# KiCad board DG Nova CPU Tester.kicad_pcb (continued)
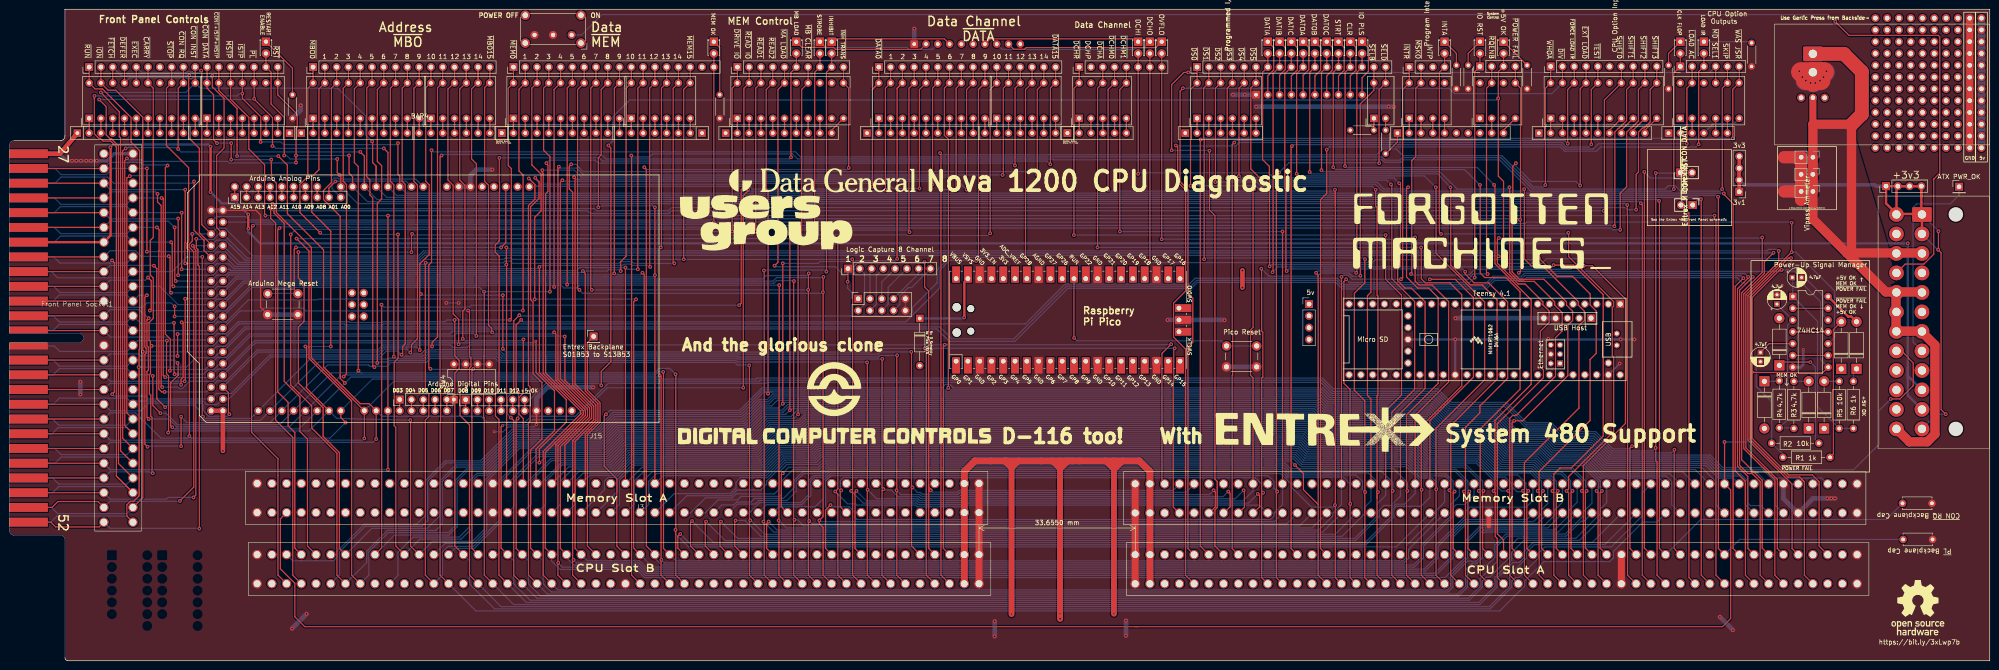
[diagram p0: board, top side]
## Routing (per net, layer and track width the routed paths; a pad name or vN(x,y) marks a point on that pad's centre or on a via; arc(x,y) is an arc through that point) (continued)
  Bottom w0.25: 328.36,38.02 328.36,34.54 326.89,33.08 314.75,33.08 313.81,32.13 313.81,31.2 307.46,24.85 307.46,22.3 304.88,19.72 137.64,19.72 135.83,21.53 124.58,21.53 J3.55 ; v1(204.03,101.47) 201.11,101.47 201.11,101.48 198.86,103.73 122.14,103.73 v1(121.73,104.14)
~{DATA8}: length 445.5
  Top w0.25: v1(114.87,105.66) 114.87,105.18 115.06,104.99 115.06,61.87 123.13,53.8 123.13,53.09 123.06,53.09 115.06,45.09 115.06,18.44 J3.60 ; v1(206.31,101.47) 206.29,101.49 206.29,123.05 BAR8.12 J8.9
  Bottom w0.25: 334.71,31.75 331.58,28.62 317.24,28.62 314.26,25.64 314.26,22.11 310.63,18.49 310.63,16.03 309.86,15.25 118.24,15.25 J3.60 ; v1(114.87,105.66) 121.77,105.66 123.25,104.18 203.6,104.18 v1(206.31,101.47)
~{DATA9}: length 457.1
  Top w0.25: 341.06,38.02 341.28,38.24 ; J8.10 BAR8.11 ; BAR8.11 208.85,123.06 208.85,87.38 ; BAR8.11 208.84,123.05 ; 110.55,22.86 109.23,24.19 109.23,51.84 v1(109.56,52.18) ; 208.85,87.38 208.85,86.61 v1(208.34,86.11) ; 208.85,87.38 208.85,86.74 ; v1(109.67,57.91) 109.23,58.35 109.23,72.39 109.28,72.39 v1(110.3,73.41)
  Bottom w0.25: 341.06,38.02 341.06,33.91 339.21,32.06 339.21,31.2 335.28,27.27 322.52,27.27 320.16,24.91 320.16,22.3 318.4,20.54 315.44,20.54 314.26,19.37 314.26,15.84 312.32,13.91 114.54,13.91 111.88,16.57 111.88,21.53 110.55,22.86 ; v1(110.3,73.41) 110.69,73.01 193.22,73.01 200.47,80.26 200.47,84.07 202.63,86.23 202.88,86.23 202.94,86.29 208.09,86.29 208.28,86.11 v1(208.34,86.11) ; v1(109.67,57.91) 109.71,57.87 109.71,52.33 v1(109.56,52.18)
~{DATA10}: length 412.4
  Top w0.25: J8.11 BAR9.20 211.38,123.05 211.38,92.09 v1(211.39,92.08) ; v1(168.21,53.97) v1(168.21,91.95)
  Bottom w0.25: v1(211.39,92.08) 210.92,91.6 193.58,91.6 193.45,91.73 168.43,91.73 v1(168.21,91.95) ; J3.75 93.92,25.27 100.01,25.27 102.88,28.14 102.88,38.65 110.03,45.8 128.1,45.8 131.63,49.33 159.12,49.33 162.88,53.09 167.33,53.09 v1(168.21,53.97) 168.52,54.28 281.23,54.28 282.87,52.65 305.48,52.65 308.35,49.78 319.13,49.78 323.04,45.87 330.12,45.87 332.09,43.89 339.6,43.89 343.25,40.25 355.02,40.25 355.03,40.26 357.87,40.26 360.11,38.02
~{DATA11}: length 439.4
  Top w0.25: 118.23,105.28 118.23,60.6 124.6,54.23 124.6,52.66 118.23,46.28 118.23,21.15 v1(118.3,21.08) 118.23,21.01 118.23,18.44 J3.58 ; 118.23,105.28 118.23,106.23 v1(118.43,106.43) ; 118.23,105.28 118.23,105.97 ; J8.12 BAR9.19 214.2,123.34 214.2,104.79 v1(214.06,104.65)
  Bottom w0.25: v1(118.3,21.08) 119.23,20.15 135.3,20.15 137.08,18.38 307.35,18.38 311.14,22.17 311.14,26.62 314.04,29.52 329.31,29.52 331.54,31.75 ; 214.07,104.63 v1(214.06,104.65) 123.76,104.63 122.28,106.11 118.74,106.11 v1(118.43,106.43)
~{DATA12}: length 450
  Top w0.25: 334.71,38.02 335.05,38.36 ; 115.63,107.19 v1(115.76,107.19) 115.76,107.06 116.07,106.75 116.07,101.08 115.58,100.58 115.58,61.98 123.7,53.86 123.7,53.03 117.61,46.93 117.59,46.93 115.5,44.84 115.5,24.26 J3.59 ; J8.13 BAR9.18 216.75,123.34 216.75,106.7 v1(216.73,106.68)
  Bottom w0.25: v1(216.73,106.68) 216.22,107.19 126.94,107.19 126.3,107.82 116.4,107.82 v1(115.76,107.19) ; 334.71,38.02 334.71,34.15 332.86,32.3 332.86,31.2 330.73,29.07 317.06,29.07 313.81,25.82 313.81,22.3 309.42,17.91 291.4,17.91 291.39,17.91 136.9,17.91 135.16,19.65 118.7,19.65 116.91,21.45 J3.59
~{DATA13}: length 461.9
  Top w0.25: v1(108.52,57.91) 108.7,58.09 108.7,73.21 v1(109.92,74.42) ; v1(108.09,52.38) 108.7,51.76 108.7,18.44 110.55,16.59 ; J8.14 BAR9.17 219,123.05 219,86.63 v1(219.27,86.36)
  Bottom w0.25: v1(108.52,57.91) 108.49,57.91 107.3,56.72 107.3,54.98 107.33,54.95 107.33,53.13 v1(108.09,52.38) ; v1(109.92,74.42) 110.08,74.26 193.83,74.26 194.63,75.06 194.63,76.07 199.96,81.41 199.96,84.2 202.64,86.88 218.75,86.88 v1(219.27,86.36) ; 341.06,31.75 339.36,30.05 338.7,30.05 335.47,26.82 322.77,26.82 320.61,24.66 320.61,21.33 316.99,17.71 316.99,16.03 314.41,13.46 113.69,13.46 110.55,16.59
~{DATA14}: length 435.2
  Top w0.25: v1(121.1,106.93) 120.68,106.51 120.68,101.64 121.41,100.91 121.41,59.41 125.95,54.86 125.95,51.93 121.41,47.38 121.41,21.92 v1(121.6,21.72) 121.41,21.52 121.41,18.44 J3.56 ; v1(221.55,104.65) 221.53,104.67 221.53,123.05 BAR9.16 J8.15
  Bottom w0.25: v1(121.1,106.93) 122.1,106.93 123.66,105.37 220.83,105.37 v1(221.55,104.65) ; v1(121.6,21.72) 122.27,21.05 135.67,21.05 137.45,19.28 305.07,19.28 307.91,22.11 307.91,24.66 313.67,30.43 327.04,30.43 328.36,31.75
~{DATA15}: length 483.4
  Top w0.25: J8.16 225.49,124.5 BAR9.15 224.37,123.38 224.37,106.95 v1(224.35,106.93) ; 105.53,108.39 v1(105.6,108.33) 105.59,103.16 105.65,103.1 105.65,100.91 105.59,100.86 105.58,90.55 105.58,90.4 104.71,89.53 104.71,88.01 105.57,87.15 105.57,87.12 105.53,58.29 104.76,57.52 104.76,52.72 105.53,51.94 105.53,18.44 J3.66
  Bottom w0.25: J3.66 111.41,12.56 316.68,12.56 320.16,16.03 320.16,17.96 323.79,21.59 323.79,23.32 326.38,25.92 338.41,25.92 344.24,31.75 ; v1(105.6,108.33) 127.13,108.33 127.83,107.64 223.64,107.64 v1(224.35,106.93)
~{DCHA}: length 362.5
  Top w0.25: J2.60 304.29,18.43 304.29,36.76 v1(304.36,36.83) 304.29,36.9 304.29,50.47 313.01,59.2 313.01,78.85 310.45,81.41 305.17,81.41 304.29,82.3 304.29,88.97 v1(304.23,89.03) 304.29,89.08 ; J12.3 BAR11.18 234.53,123.34 234.53,89.05 v1(234.51,89.03)
  Bottom w0.25: v1(304.36,36.83) 304.29,36.9 304.29,38.57 301.03,41.82 278.42,41.82 276.76,43.48 175.5,43.48 174.31,42.29 167.57,42.29 165.93,40.65 165.93,36.96 164.91,35.94 156.61,35.94 155.77,35.09 150.04,35.09 146.78,31.83 145.48,31.83 ; v1(304.23,89.03) v1(234.51,89.03) 234.51,89.15
~{DCHM0}: length 226.8
  Top w0.25: v1(182.56,36.58) 182.25,36.27 182.25,24.19 J3.17 ; J12.4 BAR11.17 236.78,123.05 236.78,101.49 v1(236.79,101.47) 236.78,101.45 ; v1(268.29,101.6) 268.04,101.35 268.04,71.78 267.49,71.23 267.49,61.5 268.04,60.95 268.04,38.02
  Bottom w0.25: 202.25,34.06 196.03,34.06 195.66,34.42 184.72,34.42 v1(182.56,36.58) ; 202,34.06 205.45,34.06 205.81,34.42 265.85,34.42 268.04,36.61 268.04,38.02 ; 268.04,101.6 v1(268.29,101.6) 267.6,101.16 237.1,101.16 v1(236.79,101.47)
~{DCHM1}: length 242.8
  Top w0.25: 274.38,38.02 v1(274.38,92.46) ; J12.5 BAR11.16 239.31,123.05 239.31,92.47 v1(239.33,92.46) ; J3.21 175.91,24.19 175.91,32.46 v1(176.98,33.53) ; 176.98,33.45 v1(176.98,33.53) ; v1(176.98,33.53) 177.1,33.66
  Bottom w0.25: v1(176.98,33.53) 177.35,33.16 181.03,33.16 182.25,31.93 182.25,30.86 182.69,30.43 271.76,30.43 272.54,31.2 272.54,31.77 274.38,33.62 274.38,38.02 ; v1(239.33,92.46) v1(274.38,92.46)
~{DCHR}: length 321.1
  Top w0.25: J3.35 153.16,24.71 153.16,29.77 v1(153.35,29.97) 153.16,30.17 ; 296.61,38.02 296.61,53.85 300.02,57.26 300.02,78.76 296.61,82.17 v1(296.61,91.69) ; v1(229.43,91.69) 229.44,91.71 229.44,123.34 BAR11.20 J12.1
  Bottom w0.25: v1(153.35,29.97) 156.99,26.34 289.93,26.34 294.76,31.17 294.76,33.78 296.61,35.63 296.61,38.02 ; v1(296.61,91.69) v1(229.43,91.69)
~{DEFER}: length 580.8
  Top w0.25: v1(40.96,28.45) 40.96,84.96 40.65,85.28 40.65,88.59 40.31,88.93 v1(40.31,90.87) ; 46.27,110.43 44.69,108.84 44.69,93.3 46.04,91.95 ; J5.52 8.96,29.84 9.97,28.83 19.37,28.83 Front Panel Socket1.52 ; v1(380.18,87.88) 378.21,85.92 378.21,83.42 373.78,78.99 373.78,45.7 380.49,38.99 380.49,18.43 J2.12 ; J9.4 BAR1.17 ; 46.27,110.51 46.27,121.11 43.75,123.64 v1(43.75,125.98)
  Bottom w0.25: Front Panel Socket1.52 21.71,28.52 40.89,28.52 v1(40.96,28.45) ; BAR1.17 25.97,125.6 38.28,125.6 38.5,125.39 39.41,125.39 39.6,125.59 43.35,125.59 v1(43.75,125.98) ; v1(40.31,90.87) 40.42,90.76 43.99,90.76 45.18,91.95 46.04,91.95 51.25,86.74 88.33,86.74 89.43,87.85 380.14,87.85 v1(380.18,87.88)
~{DIV}: length 189.6
  Top w0.25: J11.2 BAR15.19 ; v1(252.92,123.32) 252.31,122.7 252.31,103.22 254.01,101.52 254.01,79.12 255.05,78.08 255.05,68.6 254.01,67.56 254.01,24.18 J2.91
  Bottom w0.25: BAR15.19 332.42,122.16 311.43,122.16 310.27,123.32 v1(252.92,123.32)
~{DRIVE IO}: length 555.2
  Top w0.25: v1(155.77,92.46) 155.78,92.47 155.78,123.34 BAR7.20 J18.1 ; v1(60.64,91.82) 60.64,59.44 65.17,54.91 65.17,50.14 70.61,44.7 70.61,18.44 J3.88
  Bottom w0.25: v1(60.64,91.82) 61.75,92.93 150.05,92.96 150.56,92.46 v1(155.77,92.46) ; 379.16,31.75 377.51,33.4 375.22,33.4 374.58,34.04 374.58,38.76 373.1,40.25 368.68,40.25 365.96,42.96 344.42,42.96 340.78,46.59 333.21,46.59 331.24,48.57 324.16,48.57 320.25,52.48 309.47,52.48 306.6,55.35 283.99,55.35 282.34,57 164.72,57 163.51,55.79 161.77,55.79 158,52.03 130.51,52.03 126.98,48.5 108.91,48.5 102.14,41.73 96.43,41.73 93.28,38.58 93.28,29.46 91.88,28.06 81.5,28.06 77.03,23.59 77.03,21.16 J3.88
~{DS0}: length 279
  Top w0.25: 285.76,98.04 285.76,101.4 v1(285.69,101.47) ; 285.76,98.04 285.76,101.55 ; 285.76,98.04 285.76,33.6 v1(285.69,33.53) 285.76,33.46 285.76,17.91 J2.72 ; J10.1 BAR10.20 254.56,123.05 v1(254.56,102.31)
  Bottom w0.25: 268.59,102.33 269.69,101.23 ; 268.59,102.33 254.57,102.33 v1(254.56,102.31) ; 268.59,102.33 269.75,101.16 285.38,101.16 v1(285.69,101.47) ; v1(285.69,33.53) 285.24,33.08 280.63,33.08 276.24,37.47 276.24,38.04 273.95,40.33 176.95,40.33 175.45,38.84 175.45,34.94 173.67,33.16 165.85,33.16 164.53,31.83
~{DS1}: length 293.2
  Top w0.25: v1(292.17,86.49) 292.11,86.43 292.11,81.41 289.86,79.16 289.86,58.26 292.11,56.01 292.11,36.38 v1(292.17,36.32) 292.11,36.27 292.11,17.91 J2.68 ; J10.2 BAR10.19 257.38,123.34 257.38,112.64 257.49,112.53 v1(257.49,86.49)
  Bottom w0.25: 177.87,41.23 176.58,41.23 175.22,39.88 173.8,39.88 173.8,39.88 173.32,39.88 172.28,38.84 172.28,35.77 170.57,34.06 161.71,34.06 159.48,31.83 158.18,31.83 ; 177.87,41.23 274.32,41.23 275.53,40.02 290.13,40.02 291.58,38.57 291.58,36.9 v1(292.17,36.32) ; 177.87,41.23 176.55,41.23 ; v1(292.17,86.49) 291.89,86.76 257.77,86.76 v1(257.49,86.49)
~{DS2}: length 296.9
  Top w0.25: 294.76,36.52 v1(294.96,36.32) 294.76,36.12 294.76,35.05 ; 294.76,35.05 294.76,18.43 J2.66 ; 294.76,35.05 294.76,57.02 294.94,57.2 294.94,78.56 294.76,78.74 294.76,97.66 294.45,97.97 v1(294.45,101.47) ; 259.93,103.11 v1(259.91,103.12) 259.93,103.14 259.93,123.34 BAR10.18 J10.3
  Bottom w0.25: v1(259.91,103.12) 268.81,103.12 269.73,102.2 293.73,102.2 v1(294.45,101.47) 294.45,101.35 ; v1(294.96,36.32) 294.76,36.52 294.76,38.57 292.86,40.47 275.72,40.47 274.5,41.68 176.37,41.68 175.3,40.62 175.3,40.59 175.04,40.33 171.23,40.33 169.56,38.65 169.56,36.48 167.58,34.5 161.52,34.5 160.76,33.74 156.92,33.74 155,31.83
~{DS3}: length 403.9
  Top w0.25: J2.46 326.51,18.43 326.51,36.27 v1(326.2,36.58) 326.51,36.89 326.51,42.67 338.27,54.43 338.27,72.14 339.44,73.32 339.44,75.28 338.12,76.6 338.12,77.36 330.39,85.09 327.98,85.09 326.51,86.56 326.51,101.55 v1(326.45,101.6) ; J10.4 BAR10.17 262.46,123.34 262.46,103.9 v1(262.45,103.89) 262.46,103.87
  Bottom w0.25: 123.25,31.83 128.28,36.86 128.28,38.65 129.13,39.5 130.75,39.5 134.28,43.03 161.8,43.03 165.57,46.79 172.15,46.79 173.34,47.98 278.62,47.98 280.26,46.35 302.87,46.35 305.74,43.48 316.52,43.48 320.43,39.57 322.33,39.57 323.79,38.12 323.79,37.54 324.88,36.45 326.07,36.45 v1(326.2,36.58) ; v1(326.45,101.6) 326.02,101.16 295.85,101.16 294.36,102.65 270.19,102.65 269.27,103.57 262.76,103.57 v1(262.45,103.89)
~{DS4}: length 318.2
  Top w0.25: 265,104.38 v1(264.99,104.39) 265,104.41 265,123.34 BAR10.16 J10.5 ; J2.62 301.11,18.43 301.11,36.38 v1(301.31,36.58) 301.11,36.78 301.11,52.96 307.93,59.78 307.93,78.21 305.88,80.26 303.52,80.26 301.11,82.68 301.11,101.66 v1(301.44,101.98)
  Bottom w0.25: 301.06,38.62 298.31,41.37 276.09,41.37 274.88,42.58 175.92,42.58 174.56,41.23 168.96,41.23 ; 301.06,38.62 301.31,38.37 v1(301.31,36.58) ; 301.06,38.62 301.18,38.5 ; 301.31,101.85 v1(301.44,101.98) 301.07,101.61 296.23,101.61 294.74,103.1 270.57,103.1 269.65,104.02 265.36,104.02 v1(264.99,104.39) ; 168.8,41.07 168.96,41.23 ; 168.8,41.07 168.96,41.23 ; 168.8,41.07 166.38,38.65 166.38,35.73 166.05,35.41 157.68,35.41 156.92,34.64 152.77,34.64 149.96,31.83 148.66,31.83
~{DS5}: length 301.7
  Top w0.25: 299.79,16.58 297.94,18.43 297.94,36.38 v1(298.13,36.58) 297.94,36.78 297.94,53.52 302.85,58.44 302.85,77.38 297.94,82.3 297.94,102.43 v1(297.75,102.62) ; J10.6 268.67,124.5 BAR10.15 267.55,123.38 267.55,105.92 269.32,104.14 v1(270.83,104.14)
  Bottom w0.25: 174.83,40.78 176.18,42.13 274.69,42.13 275.91,40.92 295.58,40.92 296.94,39.57 ; v1(270.83,104.14) 270.83,103.89 271.17,103.55 296.82,103.55 v1(297.75,102.62) ; v1(298.13,36.58) 298.13,38.37 296.94,39.57 ; 296.94,39.57 298.01,38.5 ; 174.85,40.78 171.05,40.78 169.1,38.84 169.1,37.24 166.82,34.95 160.59,34.95 159.83,34.19 156.73,34.19 156.11,33.57 153.57,33.57 151.83,31.83
~{EXEC}: length 565.2
  Top w0.25: 43.5,91.95 41.48,93.96 41.48,126.98 v1(41.34,127.13) ; v1(36.77,34.42) 39.75,37.4 39.75,88.1 38.76,89.09 38.76,89.73 39.43,90.41 v1(39.43,91.95) ; v1(381.32,88.27) 381.32,85.9 374.23,78.81 374.23,45.88 381.01,39.1 381.01,24.18 J2.11 ; J5.51 9.21,33.02 10.48,34.29 19.11,34.29 Front Panel Socket1.51 ; J9.5 BAR1.16
  Bottom w0.25: J9.5 28.54,126.71 38.26,126.71 38.38,126.84 39.46,126.84 39.58,126.71 40.93,126.71 v1(41.34,127.13) ; v1(381.32,88.27) 380.98,88.61 379.09,88.61 378.78,88.3 89.25,88.3 88.14,87.19 52.48,87.19 46.53,93.14 44.69,93.14 43.5,91.95 v1(39.43,91.95) ; v1(36.77,34.42) 36.7,34.34 21.71,34.34 Front Panel Socket1.51
~{EXT LOAD}: length 377.6
  Top w0.25: J2.47 323.86,24.18 323.86,51.25 v1(324.3,51.69) 326.14,51.69 335.87,61.42 335.87,72.29 336.9,73.32 336.9,75.28 335.58,76.6 335.58,77.3 330.71,82.17 325.44,82.17 323.86,83.75 323.86,96.9 324,97.05 324,106.52 v1(324.68,107.19) ; v1(128.59,53.09) 128.2,52.7 128.2,41.91 130.88,39.24 130.93,39.24 130.93,24.71 J3.49 ; J11.4 BAR15.17 338.52,123.19 v1(338.52,102.36)
  Bottom w0.25: 202.89,59.31 203.26,58.94 ; 202.89,59.31 202.68,59.53 201.71,59.53 200.98,58.8 162.23,58.8 157.36,53.93 129.44,53.93 v1(128.59,53.09) ; 202.89,59.31 203.41,58.8 283.08,58.8 284.73,57.15 307.34,57.15 310.21,54.28 321,54.28 323.05,52.22 ; v1(324.68,107.19) 324.68,106.55 327.98,103.25 337.63,103.25 v1(338.52,102.36) ; 323.05,52.22 323.59,51.69 v1(324.3,51.69) ; 323.05,52.22 323.46,51.82
~{FETCH}: length 645.3
  Top w0.25: v1(38.8,126.11) 38.66,125.97 38.66,112.67 40.96,110.36 40.96,92.2 43.5,89.66 43.5,89.41 ; 320.69,86.61 320.69,85.65 325.18,81.15 326.65,81.15 330.5,77.3 330.5,76.66 331.82,75.34 331.82,72.84 329.94,70.95 329.94,63.33 330.62,62.66 330.62,60.98 320.69,51.05 320.69,27.34 322.01,26.01 J2.49 ; 320.69,86.61 320.69,86.36 320.69,90.75 v1(320.99,91.06) ; 320.69,86.61 320.69,86.81 v1(320.99,87.12) ; v1(39.69,35.18) 40.2,35.69 40.2,88.4 39.86,88.74 39.86,89.08 v1(39.53,89.41) ; v1(377.76,91.19) 377.76,91.18 377.76,83.68 373.33,79.25 373.33,43.29 377.76,38.86 377.76,24.25 J2.13 ; J9.3 BAR1.18 ; Front Panel Socket1.50 J5.50
  Bottom w0.25: v1(39.69,35.18) 34.23,35.18 33.85,34.8 21.78,34.8 Front Panel Socket1.50 20.77,36.58 ; v1(38.8,126.11) 24.07,126.11 J9.3 ; v1(320.99,91.06) 377.64,91.06 v1(377.76,91.19) ; v1(39.53,89.41) 43.5,89.41 44.69,90.6 46.53,90.6 50.84,86.29 88.51,86.29 89.55,87.33 317.95,87.33 318.07,87.21 320.9,87.21 v1(320.99,87.12)
~{FORCE LOAD IR}: length 179.2
  Top w0.25: v1(335.85,111.38) 335.83,111.4 335.83,123.05 BAR15.18 J11.3 ; J2.85 263.54,24.18 263.54,61.45 263.63,61.56 263.63,70.31 263.54,70.42 263.54,111.2 v1(263.97,111.63)
  Bottom w0.25: v1(335.85,111.38) 335.14,112.09 264.43,112.09 v1(263.97,111.63)
~{INH TRANS}: length 337.3
  Top w0.25: v1(180.91,106.17) 180.9,106.19 180.9,123.34 BAR7.11 J18.10 ; J3.45 137.28,24.71 137.28,105.86 v1(136.84,106.3)
  Bottom w0.25: J3.45 139.13,22.09 140.59,20.62 302.61,20.62 304.29,22.3 304.29,24.85 310.63,31.2 310.63,33.63 312.49,35.48 312.49,38.02 ; v1(136.84,106.3) 137.32,105.82 180.56,105.82 v1(180.91,106.17)
~{INTR}: length 243.5
  Top w0.25: v1(299.91,82.17) 300.27,82.53 300.27,123.05 BAR13.20 J13.1 ; J3.29 163.2,24.19 163.2,29.54 v1(163.64,29.97) ; 287.08,38.02 v1(287.08,82.68)
  Bottom w0.25: v1(287.08,82.68) 287.47,83.06 288.55,83.06 289.42,82.19 291.28,82.19 v1(299.91,82.17) 299.95,82.21 ; v1(163.64,29.97) 165.46,28.15 282.18,28.15 285.24,31.2 285.24,31.77 287.08,33.62 287.08,38.02
~{ION}: length 547.5
  Top w0.25: J9.2 BAR1.19 21.31,122.9 22.96,122.9 28.77,117.09 v1(28.77,66.55) 28.77,35.13 Front Panel Socket1.25 ; J2.16 374.13,18.43 374.13,38.68 371.94,40.88 371.94,80.66 v1(373.7,82.42)
  Bottom w0.25: v1(28.77,66.55) 43.5,66.55 44.69,67.74 46.59,67.74 50.77,71.91 200.53,71.91 203.09,69.36 216.49,69.36 227.81,80.68 254.61,80.68 255.87,81.94 286.04,81.94 287.44,80.54 318.1,80.54 319.95,82.39 326.05,82.39 326.64,82.98 373.14,82.98 v1(373.7,82.42) ; J5.25 9.08,33.02 10.41,31.69 25.33,31.69 Front Panel Socket1.25
~{ISTP}: length 573.8
  Top w0.25: 18.34,120.9 18.34,121.3 ; 18.34,120.9 18.34,113.49 19.28,112.54 19.6,112.54 20.2,111.94 21.86,111.94 23.08,110.73 23.08,39.77 Front Panel Socket1.24 23.05,39.8 ; 18.34,120.9 v1(18.35,121.67) 18.34,121.65 ; 84.14,102.11 84.14,104.39 83.76,104.78 v1(83.76,111.51) ; J2.17 371.49,24.18 371.49,98.48 369.49,100.47 v1(369.49,100.66) ; J9.14 BAR2.17 v1(50.23,122.17) 50.23,121.16 54.19,117.2 54.19,111.78 v1(54.17,111.76) 54.19,111.74
  Bottom w0.25: 84.14,102.11 85.54,100.71 369.43,100.71 v1(369.49,100.66) 369.55,100.71 ; Front Panel Socket1.24 25.33,37.52 10.66,37.52 9.34,36.2 J5.24 ; v1(83.76,111.51) 83.41,111.16 59.12,111.16 58.52,111.76 v1(54.17,111.76) ; v1(18.35,121.67) 49.09,121.67 49.59,122.17 v1(50.23,122.17)
~{LOAD AC}: length 191.9
  Top w0.25: J2.77 276.24,24.18 276.24,110.69 v1(276.42,110.87) ; J17.2 BAR16.19 361.52,123.34 361.52,111.4 v1(361.51,111.38)
  Bottom w0.25: v1(276.42,110.87) 276.74,111.19 334.38,111.19 335.37,110.2 341.29,110.2 342.46,111.38 v1(361.51,111.38)
~{MA LOAD}: length 199.7
  Top w0.25: v1(197.22,85.88) 197.26,85.83 197.26,84.4 ; 197.26,84.68 197.26,84.4 ; 197.26,84.4 197.26,80.5 198.13,79.63 198.13,37.97 ; J3.7 198.13,24.19 198.13,37.97 ; 198.82,36.7 v1(198.57,36.7) 198.57,36.96 198.13,37.39 198.13,37.97 ; J18.5 BAR7.16 165.66,123.05 165.66,85.83 v1(164.91,85.09)
  Bottom w0.25: v1(197.22,85.88) 196.97,85.63 182.79,85.63 182.06,84.9 182.06,84.28 ; 182.06,84.87 182.06,84.28 ; 182.06,84.28 182.06,83.43 181.91,83.28 179.64,83.28 178.04,84.87 165.13,84.87 v1(164.91,85.09) ; v1(198.57,36.7) 198.96,36.31 204.35,36.31 204.74,36.7 250.83,36.7 252.16,38.02
~{MB CLEAR}: length 565.2
  Top w0.25: v1(61.91,90.93) 64.59,88.26 64.59,65.14 73.78,55.95 73.78,18.44 J3.86 ; v1(170.75,90.93) 170.75,123.06 BAR7.14 J18.7
  Bottom w0.25: 163.77,55.38 164.93,56.55 282.15,56.55 283.8,54.9 306.41,54.9 309.28,52.03 320.07,52.03 323.97,48.12 331.05,48.12 333.03,46.14 340.6,46.14 344.23,42.51 365.78,42.51 368.49,39.8 372.91,39.8 374.13,38.57 374.13,33.6 375.99,31.75 ; 163.77,55.34 161.95,55.34 158.19,51.58 130.7,51.58 127.17,48.05 109.1,48.05 102.33,41.28 98.52,41.28 96.08,38.83 96.08,29.07 94.62,27.61 81.69,27.61 77.48,23.41 77.48,18.44 J3.86 ; v1(61.91,90.93) v1(170.75,90.93) 170.63,90.93
~{MBO0}: length 433.6
  Top w0.25: 83.8,91.86 v1(83.76,91.82) 83.8,65.14 82.95,64.3 82.95,50.65 83.3,50.29 83.3,24.71 J3.79 ; J6.1 BAR3.20 64.34,123.34 64.34,104.31 62.63,102.6 62.63,96.57 v1(66.99,92.2)
  Bottom w0.25: v1(83.76,91.82) 67.38,91.82 v1(66.99,92.2) ; 366.46,38.02 363.32,41.16 343.67,41.16 340.04,44.8 332.47,44.8 330.49,46.77 323.41,46.77 319.51,50.68 308.72,50.68 305.85,53.55 283.24,53.55 281.6,55.18 167.76,55.18 166.57,53.99 162.51,53.99 158.75,50.23 131.26,50.23 127.72,46.7 109.66,46.7 102.89,39.93 100.98,39.93 99.63,38.58 99.63,28.45 97.36,26.17 88.47,26.17 J3.79
~{MBO1}: length 522
  Top w0.25: v1(63.82,67.69) 64.07,67.44 64.07,58.67 68.9,53.85 ; J3.77 86.48,24.71 86.48,51.76 v1(86.42,51.82) ; v1(33.97,68.96) 33.88,68.87 33.88,61.82 34.32,61.39 34.32,49.24 v1(34.23,49.15) ; J6.2 BAR3.19 66.74,123.19 66.74,105.79 65.17,104.22 65.17,96.65 69.28,92.54 v1(69.28,67.69) 69.28,67.82
  Bottom w0.25: J5.14 9.69,67.8 10.92,66.62 25.33,66.62 Front Panel Socket1.14 27.67,68.96 v1(33.97,68.96) 33.72,68.96 ; J3.77 91.19,25.72 99.83,25.72 102.43,28.33 102.43,38.84 109.84,46.25 127.91,46.25 131.44,49.78 158.93,49.78 162.7,53.54 166.75,53.54 167.95,54.73 281.42,54.73 283.05,53.1 305.67,53.1 308.54,50.23 319.32,50.23 323.23,46.32 330.31,46.32 332.28,44.34 339.82,44.34 343.47,40.7 343.49,40.71 360.6,40.71 363.29,38.02 ; v1(34.23,49.15) 34.59,49.51 64.56,49.51 68.9,53.85 70.55,52.2 v1(86.42,51.82) ; v1(69.28,67.69) v1(63.82,67.69)
~{MBO2}: length 451
  Top w0.25: 71.31,61.59 71.31,95.75 67.72,99.34 67.72,101.32 69.42,103.02 69.42,123.34 BAR3.18 J6.3 ; 71.31,61.59 71.31,60.83 v1(72.33,59.82) ; 71.31,61.59 71.31,60.95 ; v1(140.15,61.47) 140.45,61.16 140.45,21.79 v1(140.53,21.72) 140.45,21.65 140.45,18.44 J3.44 ; v1(35.12,50.29) 34.77,50.64 34.77,59.84 36.39,61.46 36.39,61.98 ; v1(36.26,64.14) 36.39,64.01 36.39,61.98 ; 36.39,61.98 36.39,61.47
  Bottom w0.25: 309.31,31.75 301.56,24 301.56,22.11 300.52,21.07 141.17,21.07 v1(140.53,21.72) ; J5.15 9.46,64.77 10.79,63.45 25.33,63.45 Front Panel Socket1.15 35.62,64.77 v1(36.26,64.14) ; v1(140.15,61.47) 139.8,61.12 73.63,61.12 v1(72.33,59.82) 62.47,49.96 35.58,49.96 35.24,50.29 v1(35.12,50.29) 35.12,50.42
~{MBO3}: length 452.9
  Top w0.25: 29.94,52.09 v1(30.04,52.07) 29.67,52.44 29.67,62.3 29.98,62.61 29.98,63.5 29.96,67.56 29.67,67.85 29.67,73.42 v1(30.04,73.79) ; J3.43 140.98,24.19 140.98,62.16 v1(140.91,62.23) 140.98,62.3 ; Front Panel Socket1.38 J5.38 ; J6.4 BAR3.17 71.97,123.34 71.97,103.26 72.66,102.56 72.66,61.8 v1(72.07,61.21)
  Bottom w0.25: 29.78,73.79 v1(30.04,73.79) 27.95,75.62 21.71,75.62 Front Panel Socket1.38 ; 139.63,61.98 139.22,61.57 72.43,61.57 v1(72.07,61.21) 71.19,61.21 60.38,50.41 36.03,50.41 34.36,52.07 v1(30.04,52.07) ; 139.63,61.98 139.88,62.23 v1(140.91,62.23) ; 139.63,61.98 139.76,62.11 ; 309.31,38.02 309.31,34.16 307.53,32.38 307.53,31.27 301.11,24.85 301.11,22.3 300.33,21.53 143.64,21.53 J3.43
~{MBO4}: length 436.9
  Top w0.25: v1(30.93,61.34) 30.93,61.33 30.93,54.98 v1(32.58,53.34) ; J6.5 BAR3.16 74.36,123.19 74.36,107.31 75.2,106.47 75.2,62.53 v1(75.25,62.48) ; v1(143.57,61.72) 143.63,61.67 143.63,28.25 v1(143.57,28.19) 143.63,28.14 143.63,18.44 J3.42
  Bottom w0.25: 74.78,62.02 76.14,62.02 ; 74.78,62.02 v1(75.25,62.48) 75.71,62.02 76.14,62.02 ; 74.78,62.02 69.45,62.02 58.29,50.86 36.21,50.86 33.73,53.34 v1(32.58,53.34) ; 76.14,62.02 139,62.02 139.94,62.95 141.42,62.95 ; 306.13,31.75 298.92,24.54 146.34,24.54 144.72,26.16 144.71,26.16 143.57,27.3 v1(143.57,28.19) ; 142.34,62.95 141.42,62.95 ; 142.34,62.95 141.42,62.95 ; 142.34,62.95 v1(143.57,61.72) ; 30.8,61.47 v1(30.93,61.34) 30.67,61.59 Front Panel Socket1.16 25.33,62.92 10.79,62.92 9.46,61.59 J5.16
~{MBO5}: length 454.1
  Top w0.25: J6.6 78.17,124.5 ; 159.5,26.42 159.5,30.03 v1(159.7,30.23) 159.5,30.43 159.5,63.57 v1(159.45,63.63) 159.5,63.68 ; v1(37.02,46.23) v1(37.02,52.58) ; v1(78.68,63.25) 78.32,63.6 78.32,99.72 77.71,100.33 77.71,103.59 77.03,104.27 77.03,123.36 BAR3.15 ; 159.5,27 159.5,18.44 J3.32 ; v1(29.78,46.1) 29.22,46.67 29.22,65.97 29.49,66.25 29.49,67.36 29.22,67.63 29.22,78.3 v1(29.66,78.74)
  Bottom w0.25: 290.26,31.75 285.75,27.24 162.82,27.24 159.83,30.23 v1(159.7,30.23) ; 77.72,63.41 77.41,63.72 68.61,63.72 56.2,51.31 38.29,51.31 v1(37.02,52.58) ; 77.72,63.41 78.51,63.41 v1(78.68,63.25) 78.84,63.41 79.95,63.41 ; 77.72,63.41 79.95,63.41 ; 79.95,63.41 81.42,63.41 82.27,64.26 89.85,64.26 90.73,65.14 104.72,65.14 105.6,64.26 156.37,64.26 156.91,63.72 159.36,63.72 v1(159.45,63.63) ; J5.11 9.46,77.47 10.79,78.8 25.33,78.8 Front Panel Socket1.11 27.92,78.74 v1(29.66,78.74) ; v1(29.78,46.1) 29.91,46.23 v1(37.02,46.23)
~{MBO6}: length 422.5
  Top w0.25: v1(33.59,54.61) 31.78,56.42 31.78,84.49 v1(31.18,85.09) ; 264.86,31.75 266.19,33.08 266.19,36.52 v1(266,36.7) 266.19,36.89 ; J6.7 BAR3.14 79.31,123.06 79.31,107.57 80.25,106.63 80.25,99.49 79.31,98.55 v1(79.31,64.14) ; Front Panel Socket1.35 J5.35 ; J3.16 184.91,18.44 184.91,36.76 v1(184.98,36.83) 184.91,36.9 184.91,64.21 v1(184.85,64.26) 184.91,64.32
  Bottom w0.25: v1(266,36.7) 264.19,34.89 205.65,34.89 205.26,34.5 196.28,34.5 ; 195.82,34.89 196.21,34.5 ; 195.82,34.89 196.16,34.55 ; 195.82,34.89 186.91,34.89 v1(184.98,36.83) ; 31,85.14 31.05,85.14 v1(31.18,85.09) 30.94,85.14 21.71,85.14 Front Panel Socket1.35 ; v1(184.85,64.26) 184.76,64.35 156.91,64.35 156.55,64.71 105.86,64.71 104.98,65.59 90.42,65.59 89.54,64.71 82.08,64.71 81.72,64.35 79.53,64.35 v1(79.31,64.14) 79.1,64.35 66.7,64.35 54.11,51.76 41.51,51.76 40.96,52.31 40.96,53.97 39.9,55.04 34.02,55.04 v1(33.59,54.61) 33.47,54.48
~{MBO7}: length 421.6
  Top w0.25: v1(41.72,52.58) 41.59,52.7 v1(41.59,87) ; J3.14 188.08,18.44 188.08,36.63 v1(188.41,36.96) 188.08,37.28 188.08,64.95 v1(188.15,65.02) 188.08,65.1 ; J6.8 BAR3.13 82.12,123.34 82.12,103.26 82.87,102.52 v1(82.87,65.49) ; v1(262.7,36.45) 263.08,36.06 263.08,33.15 261.69,31.75
  Bottom w0.25: v1(188.15,65.02) 188.12,64.99 156.91,64.99 156.74,65.16 106.05,65.16 105.17,66.04 90.23,66.04 89.36,65.16 83.19,65.16 v1(82.87,65.49) 82.54,65.16 81.9,65.16 81.72,64.99 64.8,64.99 52.02,52.21 42.09,52.21 v1(41.72,52.58) 41.59,52.7 ; J5.9 9.08,83.82 10.41,82.5 25.33,82.5 Front Panel Socket1.9 35.11,83.82 38.28,87 v1(41.59,87) 41.72,87 ; v1(188.41,36.96) 188.59,36.78 190.1,36.78 191.53,35.34 196.01,35.34 196.4,34.95 205.04,34.95 205.43,35.34 261.6,35.34 v1(262.7,36.45)
